# KiCad board PC110.kicad_pcb (continued)
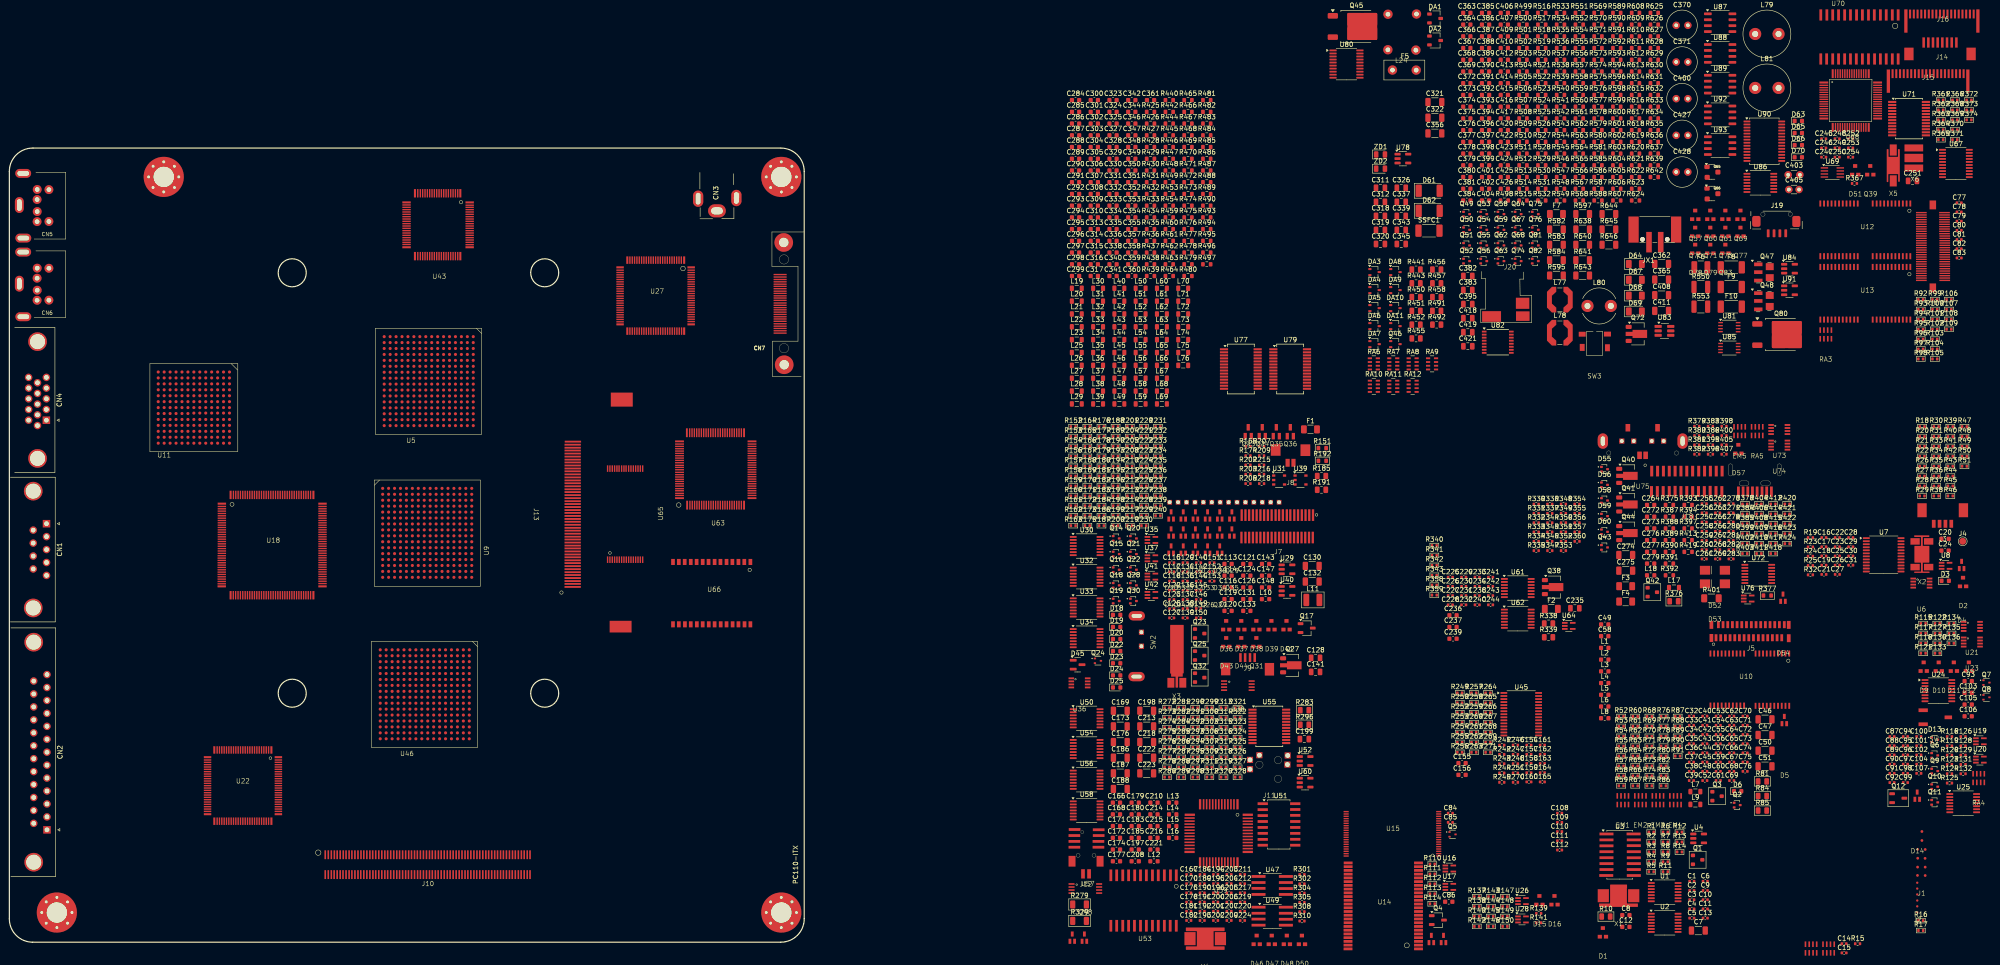
[diagram p0: board, top side]
## Library data of the parts
C12-C27 C77 C78 C81-C83 C93-C107 C110 C112 C115 C118 C125 C129 C136-C140 C144-C154 C161-C166 C169 C170 C173 C175-C178 C180-C182 C185 C188-C195 C197-C202 C204-C209 C211 C212 C217 C222-C224 C226 C228-C245 C247 C250 C252 = -: ki_fp_filters: C_*
C196 R1-R326 R328-R374 R376-R386 R395-R412 R414-R418 R420-R424 = -: ki_fp_filters: R_*
CN1 CN2 = -: ki_fp_filters: DSUB*Socket*
CN3 J20 = -: ki_fp_filters: BarrelJack*
CN4 = -: ki_fp_filters: DSUB*Pins*
CN5 CN6 = -: ki_fp_filters: MINI?DIN*
CN7 J3 J5 J8 J9 J12 J14-J16 J19 U44 = -: ki_fp_filters: Connector*:*_1x??_*
D3 D6 D18-D20 D22-D25 D52 D53 D61-D63 D65 D70 = -: ki_fp_filters: TO-???* *_Diode_* *SingleDiode* D_*
D36 D37 D55 D56 D58-D60 = -: ki_fp_filters: SOT?323*
F1-F4 F6-F10 = -: ki_fp_filters: *Fuse*
J7 = -: ki_fp_filters: Connector*:*_2x??_*
J11 = -: ki_fp_filters: Jack*
JX1 = -: Description: Generic connector, single row, 01x02, script generated; ki_fp_filters: Connector*:*_1x??_*
L11 L17 L18 = -: ki_fp_filters: Choke_* *Coil* Inductor_* L_*
L24 = -: ki_fp_filters: L_* L_CommonMode*
Q1 Q42 = -: ki_fp_filters: SOT?23* SC?59*
Q2 Q5-Q11 Q18 Q19 Q21-Q25 Q28 Q66 U35 = -: ki_fp_filters: SOT?23*
Q27 = -: ki_fp_filters: TO?92*
Q32 Q60 Q69 Q78 Q83 = -: ki_fp_filters: SOT* SC*
Q72 = -: ki_fp_filters: SOT?89*
R327 = -: Description: External clock input for Audio Drive; ki_fp_filters: R_*
RA1-RA12 = -: ki_fp_filters: DIP* SOIC* R*Array*Concave* R*Array*Convex* MSOP*
U1 = -: Datasheet: https://github.com/ahmadexp/PC110-Mainboard-Schematic/blob/main/datasheets/bottom/f-V02.pdf; Description: Quadruple 2-Input Positive-NOR Gates; ki_fp_filters: SO14* DIP*W7.62mm*
U2 U72 = -: Datasheet: https://github.com/ahmadexp/PC110-Mainboard-Schematic/blob/main/datasheets/bottom/a%26e-V125.pdf; Description: ABT QUADRUPLE BUS BUFFER WITH 3STATE OUTPUTS; ki_fp_filters: DIP*W7.62mm*
U5 = -: Datasheet: http://github.com/ahmadexp/PC110-Mainboard-Schematic/blob/main/datasheets/bottom/4-486SX-33.pdf; Description: Intel 486 SX
U6 = -: ki_fp_filters: VSSOP*
U8 U28 U37 U41 U42 U76 U78 = -: ki_fp_filters: SOT?23* SOT?553*
U16 U17 = -: ki_fp_filters: SOT?23* Texas?R-PDSO-G5?DCK* Texas?R-PDSO-N5?DRL* Texas?X2SON*0.8x0.8mm*P0.48mm*
U19 U20 U26 U64 = -: ki_fp_filters: SOT* SG-*
U21 U23 U36 U73 U74 U81 = -: ki_fp_filters: SSOP* VSSOP*
U24 = -: ki_fp_filters: DIP?16*
U25 U30 U32 U33 U50 U54 U62 = -: ki_fp_filters: DIP*W7.62mm*
U34 = -: Datasheet: https://github.com/ahmadexp/PC110-Mainboard-Schematic/blob/main/datasheets/bottom/b-v74.pdf; Description: Dual D-Type Positive-Edge-Triggered Flip-Flops With Clear and Preset; ki_fp_filters: DIP*W7.62mm*
U38 U48 = -: ki_fp_filters: SOIC*3.9x4.9mm*P1.27mm* DIP*W7.62mm* TO*99* OnSemi*Micro8* TSSOP*3x3mm*P0.65mm* TSSOP*4.4x3mm*P0.65mm* MSOP*3x3mm*P0.65mm* SSOP*3.9x4.9mm*P0.635mm* LFCSP*2x2mm*P0.5mm* *SIP* SOIC*5.3x6.2mm*P1.27mm*
U45 = -: Datasheet: https://github.com/ahmadexp/PC110-Mainboard-Schematic/blob/main/datasheets/bottom/12-TPS2201.PDF; Description: Dual-Slot PC Card Power-Interface Switches
U47 U85 = -: ki_fp_filters: SOIC*3.9x4.9mm*P1.27mm* DIP*W7.62mm* MSOP*3x3mm*P0.65mm* SSOP*2.95x2.8mm*P0.65mm* TSSOP*3x3mm*P0.65mm* VSSOP*P0.5mm* TO?99*
U49 = -: Description: Digital Rheostat
U55 U71 = -: Datasheet: https://github.com/ahmadexp/PC110-Mainboard-Schematic/blob/main/datasheets/bottom/8-HD151015.pdf; Description: 9 bit Level Shifter/Transceiver With 3 State Outputs
U56 = -: Datasheet: https://github.com/ahmadexp/PC110-Mainboard-Schematic/blob/main/datasheets/bottom/g-V126.pdf; Description: Quadruple Bus Buffer Gates With 3-State Outputs; ki_fp_filters: DIP*W7.62mm*
U57 = -: Datasheet: https://github.com/ahmadexp/Open-Source-PC110/blob/main/datasheets/top/6-LM4861.pdf; Description: Audio Amp; ki_fp_filters: MSOP*3x3mm*P0.65mm* SOIC*3.9x4.9mm*P1.27mm*
U58 = -: Datasheet: https://github.com/ahmadexp/PC110-Mainboard-Schematic/blob/main/datasheets/bottom/d-V32.pdf; Description: Quadruple 2-Input Positive-Or Gates; ki_fp_filters: DIP?14*
U61 = -: ki_fp_filters: DIP?14*
U67 = -: Datasheet: https://github.com/ahmadexp/PC110-Mainboard-Schematic/blob/main/datasheets/bottom/c-V244.pdf; Description: ABT OCTAL BUFFER/DRIVER; ki_fp_filters: DIP?20*
U68 = -: Description: Keyboard controller
U69 = -: Datasheet: https://github.com/ahmadexp/PC110-Mainboard-Schematic/blob/main/datasheets/bottom/h-7W32.pdf; Description: Dual 2-Input Positive-OR Gate; ki_fp_filters: SSOP* VSSOP*
U70 = -: Description: Trackpad Controller
U80 = -: ki_fp_filters: TSSOP*4.4x6.5mm*P0.65mm* SSOP*4.4x6.5mm*P0.65mm*
U86 = -: ki_fp_filters: SOIC*3.9x8.7mm*P1.27mm* DIP*W7.62mm* TSSOP*4.4x5mm*P0.65mm* SSOP*5.3x6.2mm*P0.65mm*
U87-U89 U92 U93 = -: ki_fp_filters: SOIC*3.9x4.9mm*P1.27mm*
U91 = -: ki_fp_filters: *SOT-23*5*
X1 X2 X4-X6 = -: ki_fp_filters: Crystal*
ZD1 ZD2 = -: ki_fp_filters: D*DO?35*

## Footprints (pads in the part's own frame, mm; a bottom-side part is the same pattern mirrored in y, then rotated)
3D
  rect 0.9x0.8 smd: 1(0.625,-0.725) 2(-0.05,1.125) 3(-0.7,-0.725)
Audio-Jack
  rect 1.3x1.3 hole 1: 1(3.95,2.95) 2(3.9,1) 3(-2.1,3) 4(-4.1,2) 5(-4.1,0)
Backllight_Connector
  rrect 0.6x1.7 smd: 1(-1.875,-1.95) 2(-0.625,-1.95) 3(0.625,-1.95) 4(1.875,-1.95)
  rrect 1.8x2.325 smd: MP(-4.4,0.613)
  rrect 1.75x2.375 smd: MP(4.15,0.588)
BarrelJack_Horizontal_PC110
  oval 2.8x3.8 hole 1.5x2.5: 1(3.85,0.125)
  oval 3.5x2.2 hole 2.5x1: 2(1.1,4.275) 3(1.25,-3.9)
BGA-169
  round 0.67 smd: A1(7.62,7.62) A2(7.62,6.35) A3(7.62,5.08) A4(7.62,3.81) A5(7.62,2.54) A6(7.62,1.27) A7(7.62,0) A8(7.62,-1.175) A9(7.62,-2.54) A10(7.62,-3.81) A11(7.62,-5.08) A12(7.62,-6.35) A13(7.62,-7.62) B1(6.35,7.62) B2(6.35,6.35) B3(6.35,5.08) B4(6.35,3.81) B5(6.35,2.54) B6(6.35,1.27) B7(6.35,0) B8(6.35,-1.175) B9(6.35,-2.54) B10(6.35,-3.81) B11(6.35,-5.08) B12(6.35,-6.35) B13(6.35,-7.62) C1(5.08,7.62) C2(5.08,6.35) C3(5.08,5.08) C4(5.08,3.81) C5(5.08,2.54) C6(5.08,1.27) C7(5.08,0) C8(5.08,-1.175) C9(5.08,-2.54) C10(5.08,-3.81) C11(5.08,-5.08) C12(5.08,-6.35) C13(5.08,-7.62) D1(3.81,7.62) D2(3.81,6.35) D3(3.81,5.08) D4(3.81,3.81) D5(3.81,2.54) D6(3.81,1.27) D7(3.81,0) D8(3.81,-1.175) D9(3.81,-2.54) D10(3.81,-3.81) D11(3.81,-5.08) D12(3.81,-6.35) D13(3.81,-7.62) E1(2.54,7.62) E2(2.54,6.35) E3(2.54,5.08) E4(2.54,3.81) E5(2.54,2.54) E6(2.54,1.27) E7(2.54,0) E8(2.54,-1.175) E9(2.54,-2.54) E10(2.54,-3.81) E11(2.54,-5.08) E12(2.54,-6.35) E13(2.54,-7.62) F1(1.27,7.62) F2(1.27,6.35) F3(1.27,5.08) F4(1.27,3.81) F5(1.27,2.54) F6(1.27,1.27) F7(1.27,0) F8(1.27,-1.175) F9(1.27,-2.54) F10(1.27,-3.81) F11(1.27,-5.08) F12(1.27,-6.35) F13(1.27,-7.62) G1(0,7.62) G2(0,6.35) G3(0,5.08) G4(0,3.81) G5(0,2.54) G6(0,1.27) G7(0,0) G8(0,-1.175) G9(0,-2.54) G10(0,-3.81) G11(0,-5.08) G12(0,-6.35) G13(0,-7.62) H1(-1.27,7.62) H2(-1.27,6.35) H3(-1.27,5.08) H4(-1.27,3.81) H5(-1.27,2.54) H6(-1.27,1.27) H7(-1.27,0) H8(-1.27,-1.27) H9(-1.27,-2.54) H10(-1.27,-3.81) H11(-1.27,-5.08) H12(-1.27,-6.35) H13(-1.27,-7.62) J1(-2.54,7.62) J2(-2.54,6.35) J3(-2.54,5.08) J4(-2.54,3.81) J5(-2.54,2.54) J6(-2.54,1.27) J7(-2.54,0) J8(-2.54,-1.27) J9(-2.54,-2.54) J10(-2.54,-3.81) J11(-2.54,-5.08) J12(-2.54,-6.35) J13(-2.54,-7.62) K1(-3.81,7.62) K2(-3.81,6.35) K3(-3.81,5.08) K4(-3.81,3.81) K5(-3.81,2.54) K6(-3.81,1.27) K7(-3.81,0) K8(-3.81,-1.27) K9(-3.81,-2.54) K10(-3.81,-3.81) K11(-3.81,-5.08) K12(-3.81,-6.35) K13(-3.81,-7.62) L1(-5.08,7.62) L2(-5.08,6.35) L3(-5.08,5.08) L4(-5.08,3.81) L5(-5.08,2.54) L6(-5.08,1.27) L7(-5.08,0) L8(-5.08,-1.27) L9(-5.08,-2.54) L10(-5.08,-3.81) L11(-5.08,-5.08) L12(-5.08,-6.35) L13(-5.08,-7.62) M1(-6.35,7.62) M2(-6.35,6.35) M3(-6.35,5.08) M4(-6.35,3.81) M5(-6.35,2.54) M6(-6.35,1.27) M7(-6.35,0) M8(-6.35,-1.27) M9(-6.35,-2.54) M10(-6.35,-3.81) M11(-6.35,-5.08) M12(-6.35,-6.35) M13(-6.35,-7.62) N1(-7.62,7.62) N2(-7.62,6.35) N3(-7.62,5.08) N4(-7.62,3.81) N5(-7.62,2.54) N6(-7.62,1.27) N7(-7.62,0) N8(-7.62,-1.27) N9(-7.62,-2.54) N10(-7.62,-3.81) N11(-7.62,-5.08) N12(-7.62,-6.35) N13(-7.62,-7.62)
BGA-256
  round 0.67 smd: A1(9.525,9.525) A2(9.525,8.255) A3(9.525,6.985) A4(9.525,5.715) A5(9.525,4.445) A6(9.525,3.175) A7(9.525,1.905) A8(9.525,0.635) A9(9.525,-0.635) A10(9.525,-1.905) A11(9.525,-3.175) A12(9.525,-4.445) A13(9.525,-5.715) A14(9.525,-6.985) A15(9.525,-8.255) A16(9.525,-9.525) B1(8.255,9.525) B2(8.255,8.255) B3(8.255,6.985) B4(8.255,5.715) B5(8.255,4.445) B6(8.255,3.175) B7(8.255,1.905) B8(8.255,0.635) B9(8.255,-0.635) B10(8.255,-1.905) B11(8.255,-3.175) B12(8.255,-4.445) B13(8.255,-5.715) B14(8.255,-6.985) B15(8.255,-8.255) B16(8.255,-9.525) C1(6.985,9.525) C2(6.985,8.255) C3(6.985,6.985) C4(6.985,5.715) C5(6.985,4.445) C6(6.985,3.175) C7(6.985,1.905) C8(6.985,0.635) C9(6.985,-0.635) C10(6.985,-1.905) C11(6.985,-3.175) C12(6.985,-4.445) C13(6.985,-5.715) C14(6.985,-6.985) C15(6.985,-8.255) C16(6.985,-9.525) D1(5.715,9.525) D2(5.715,8.255) D3(5.715,6.985) D4(5.715,5.715) D5(5.715,4.445) D6(5.715,3.175) D7(5.715,1.905) D8(5.715,0.635) D9(5.715,-0.635) D10(5.715,-1.905) D11(5.715,-3.175) D12(5.715,-4.445) D13(5.715,-5.715) D14(5.715,-6.985) D15(5.715,-8.255) D16(5.715,-9.525) E1(4.445,9.525) E2(4.445,8.255) E3(4.445,6.985) E4(4.445,5.715) E5(4.445,4.445) E6(4.445,3.175) E7(4.445,1.905) E8(4.445,0.635) E9(4.445,-0.635) E10(4.445,-1.905) E11(4.445,-3.175) E12(4.445,-4.445) E13(4.445,-5.715) E14(4.445,-6.985) E15(4.445,-8.255) E16(4.445,-9.525) F1(3.175,9.525) F2(3.175,8.255) F3(3.175,6.985) F4(3.175,5.715) F5(3.175,4.445) F6(3.175,3.175) F7(3.175,1.905) F8(3.175,0.635) F9(3.175,-0.635) F10(3.175,-1.905) F11(3.175,-3.175) F12(3.175,-4.445) F13(3.175,-5.715) F14(3.175,-6.985) F15(3.175,-8.255) F16(3.175,-9.525) G1(1.905,9.525) G2(1.905,8.255) G3(1.905,6.985) G4(1.905,5.715) G5(1.905,4.445) G6(1.905,3.175) G7(1.905,1.905) G8(1.905,0.635) G9(1.905,-0.635) G10(1.905,-1.905) G11(1.905,-3.175) G12(1.905,-4.445) G13(1.905,-5.715) G14(1.905,-6.985) G15(1.905,-8.255) G16(1.905,-9.525) H1(0.635,9.525) H2(0.635,8.255) H3(0.635,6.985) H4(0.635,5.715) H5(0.635,4.445) H6(0.635,3.175) H7(0.635,1.905) H8(0.635,0.635) H9(0.635,-0.635) H10(0.635,-1.905) H11(0.635,-3.175) H12(0.635,-4.445) H13(0.635,-5.715) H14(0.635,-6.985) H15(0.635,-8.255) H16(0.635,-9.525) J1(-0.635,9.525) J2(-0.635,8.255) J3(-0.635,6.985) J4(-0.635,5.715) J5(-0.635,4.445) J6(-0.635,3.175) J7(-0.635,1.905) J8(-0.635,0.635) J9(-0.635,-0.635) J10(-0.635,-1.905) J11(-0.635,-3.175) J12(-0.635,-4.445) J13(-0.635,-5.715) J14(-0.635,-6.985) J15(-0.635,-8.255) J16(-0.635,-9.525) K1(-1.905,9.525) K2(-1.905,8.255) K3(-1.905,6.985) K4(-1.905,5.715) K5(-1.905,4.445) K6(-1.905,3.175) K7(-1.905,1.905) K8(-1.905,0.635) K9(-1.905,-0.635) K10(-1.905,-1.905) K11(-1.905,-3.175) K12(-1.905,-4.445) K13(-1.905,-5.715) K14(-1.905,-6.985) K15(-1.905,-8.255) K16(-1.905,-9.525) L1(-3.175,9.525) L2(-3.175,8.255) L3(-3.175,6.985) L4(-3.175,5.715) L5(-3.175,4.445) L6(-3.175,3.175) L7(-3.175,1.905) L8(-3.175,0.635) L9(-3.175,-0.635) L10(-3.175,-1.905) L11(-3.175,-3.175) L12(-3.175,-4.445) L13(-3.175,-5.715) L14(-3.175,-6.985) L15(-3.175,-8.255) L16(-3.175,-9.525) M1(-4.445,9.525) M2(-4.445,8.255) M3(-4.445,6.985) M4(-4.445,5.715) M5(-4.445,4.445) M6(-4.445,3.175) M7(-4.445,1.905) M8(-4.445,0.635) M9(-4.445,-0.635) M10(-4.445,-1.905) M11(-4.445,-3.175) M12(-4.445,-4.445) M13(-4.445,-5.715) M14(-4.445,-6.985) M15(-4.445,-8.255) M16(-4.445,-9.525) N1(-5.715,9.525) N2(-5.715,8.255) N3(-5.715,6.985) N4(-5.715,5.715) N5(-5.715,4.445) N6(-5.715,3.175) N7(-5.715,1.905) N8(-5.715,0.635) N9(-5.715,-0.635) N10(-5.715,-1.905) N11(-5.715,-3.175) N12(-5.715,-4.445) N13(-5.715,-5.715) N14(-5.715,-6.985) N15(-5.715,-8.255) N16(-5.715,-9.525) P1(-6.985,9.525) P2(-6.985,8.255) P3(-6.985,6.985) P4(-6.985,5.715) P5(-6.985,4.445) P6(-6.985,3.175) P7(-6.985,1.905) P8(-6.985,0.635) P9(-6.985,-0.635) P10(-6.985,-1.905) P11(-6.985,-3.175) P12(-6.985,-4.445) P13(-6.985,-5.715) P14(-6.985,-6.985) P15(-6.985,-8.255) P16(-6.985,-9.525) R1(-8.255,9.525) R2(-8.255,8.255) R3(-8.255,6.985) R4(-8.255,5.715) R5(-8.255,4.445) R6(-8.255,3.175) R7(-8.255,1.905) R8(-8.255,0.635) R9(-8.255,-0.635) R10(-8.255,-1.905) R11(-8.255,-3.175) R12(-8.255,-4.445) R13(-8.255,-5.715) R14(-8.255,-6.985) R15(-8.255,-8.255) R16(-8.255,-9.525) T1(-9.525,9.525) T2(-9.525,8.255) T3(-9.525,6.985) T4(-9.525,5.715) T5(-9.525,4.445) T6(-9.525,3.175) T7(-9.525,1.905) T8(-9.525,0.635) T9(-9.525,-0.635) T10(-9.525,-1.905) T11(-9.525,-3.175) T12(-9.525,-4.445) T13(-9.525,-5.715) T14(-9.525,-6.985) T15(-9.525,-8.255) T16(-9.525,-9.525)
Bowman
  rect 1.8x0.45 smd: 1(-10.973,8.35) 36(-11,-9.35) 73(10.55,-9.35) 108(10.55,8.35)
  rect 1.8x0.3 smd: 2(-10.973,7.75) 3(-10.973,7.25) 4(-10.973,6.757) 5(-10.973,6.25) 6(-10.973,5.75) 7(-10.973,5.25) 8(-10.973,4.75) 9(-10.973,4.25) 10(-10.973,3.75) 11(-10.973,3.252) 12(-10.973,2.75) 13(-10.973,2.25) 14(-10.973,1.75) 15(-10.973,1.25) 16(-10.973,0.75) 17(-10.973,0.25) 18(-10.973,-0.253) 19(-10.973,-0.761) 20(-10.973,-1.269) 21(-10.973,-1.777) 22(-10.973,-2.285) 23(-11,-2.793) 24(-11,-3.3) 25(-11,-3.8) 26(-11,-4.3) 27(-11,-4.8) 28(-11,-5.3) 29(-11,-5.8) 30(-11,-6.3) 31(-11,-6.8) 32(-11,-7.3) 33(-11,-7.8) 34(-11,-8.3) 35(-11,-8.8) 74(10.55,-8.75) 75(10.55,-8.25) 76(10.55,-7.75) 77(10.55,-7.25) 78(10.55,-6.75) 79(10.55,-6.25) 80(10.55,-5.75) 81(10.55,-5.25) 82(10.55,-4.75) 83(10.55,-4.25) 84(10.55,-3.75) 85(10.55,-3.25) 86(10.55,-2.75) 87(10.55,-2.25) 88(10.55,-1.75) 89(10.55,-1.25) 90(10.55,-0.75) 91(10.55,-0.25) 92(10.55,0.25) 93(10.55,0.75) 94(10.55,1.25) 95(10.55,1.75) 96(10.55,2.25) 97(10.55,2.75) 98(10.55,3.25) 99(10.55,3.75) 100(10.55,4.25) 101(10.55,4.75) 102(10.55,5.25) 103(10.55,5.75) 104(10.55,6.25) 105(10.55,6.75) 106(10.55,7.25) 107(10.55,7.75)
  rect 0.45x1.8 smd: 37(-9.1,-11.25) 72(8.6,-11.25) 109(8.6,10.225) 144(-9.1,10.225)
  rect 0.3x1.8 smd: 38(-8.534,-11.25) 39(-8.026,-11.25) 40(-7.518,-11.25) 41(-7.01,-11.25) 42(-6.502,-11.25) 43(-5.994,-11.25) 44(-5.5,-11.25) 45(-5,-11.25) 46(-4.5,-11.25) 47(-4,-11.25) 48(-3.5,-11.25) 49(-3,-11.25) 50(-2.5,-11.25) 51(-2,-11.25) 52(-1.5,-11.25) 53(-1,-11.25) 54(-0.5,-11.25) 55(0,-11.25) 56(0.5,-11.25) 57(1,-11.25) 58(1.5,-11.25) 59(2,-11.25) 60(2.5,-11.25) 61(3,-11.25) 62(3.5,-11.25) 63(4,-11.25) 64(4.5,-11.25) 65(5,-11.25) 66(5.5,-11.25) 67(6,-11.25) 68(6.5,-11.25) 69(7,-11.25) 70(7.5,-11.25) 71(8,-11.25) 110(8,10.225) 111(7.5,10.225) 112(7,10.225) 113(6.5,10.225) 114(6,10.225) 115(5.5,10.225) 116(5,10.225) 117(4.5,10.225) 118(4,10.225) 119(3.5,10.225) 120(3,10.225) 121(2.5,10.225) 122(2,10.225) 123(1.5,10.225) 124(1,10.225) 125(0.5,10.225) 126(0,10.225) 127(-0.5,10.225) 128(-1,10.225) 129(-1.5,10.225) 130(-2,10.225) 131(-2.5,10.225) 132(-3,10.225) 133(-3.5,10.225) 134(-4,10.225) 135(-4.5,10.225) 136(-5,10.225) 137(-5.5,10.225) 138(-6,10.225) 139(-6.5,10.225) 140(-7,10.225) 141(-7.5,10.225) 142(-8,10.225) 143(-8.5,10.225)
BridgeBatt
  rect 0.9x1.7 smd: 1(0.65,-1.2) 2(-0.6,-1.2)
  rect 2.1x2.5 smd: 3(3.2,1.5) 4(-3.15,1.55)
C_0402_1005Metric
  rrect 0.56x0.62 smd: 1(-0.48,0) 2(0.48,0)
C_0603_1608Metric
  rrect 0.9x0.95 smd: 1(-0.775,0) 2(0.775,0)
C_0805_2012Metric
  rrect 1x1.45 smd: 1(-0.95,0) 2(0.95,0)
C_1206_3216Metric
  rrect 1.15x1.8 smd: 1(-1.475,0) 2(1.475,0)
C_Disc_D3.0mm_W1.6mm_P2.50mm
  round 1.6 hole 0.8: 1(0,0) 2(2.5,0)
C_Radial_D6.3mm_H11.0mm_P2.50mm
  round 1.6 hole 0.8: 1(0,0) 2(2.5,0)
CF-card
  rect 0.4x3.5 smd: 1(16.65,-5.2) 2(16,-5.2) 3(15.4,-5.2) 4(14.75,-5.2) 5(14.1,-5.2) 6(13.5,-5.2) 7(12.85,-5.2) 8(12.2,-5.2) 9(11.55,-5.2) 10(10.95,-5.2) 11(10.3,-5.2) 12(9.7,-5.2) 13(9.05,-5.2) 14(8.4,-5.2) 15(7.8,-5.2) 16(7.15,-5.2) 17(6.5,-5.2) 18(5.9,-5.2) 19(5.25,-5.2) 20(4.6,-5.2) 21(4,-5.2) 22(3.35,-5.2) 23(2.7,-5.2) 24(2.1,-5.2) 25(1.45,-5.2) 26(0.8,-5.2) 27(0.2,-5.2) 28(-0.45,-5.2) 29(-1.1,-5.2) 30(-1.7,-5.2) 31(-2.35,-5.2) 32(-3,-5.2) 33(-3.65,-5.2) 34(-4.25,-5.2) 35(-4.9,-5.2) 36(-5.55,-5.2) 37(-6.15,-5.2) 38(-6.8,-5.2) 39(-7.45,-5.2) 40(-8.1,-5.2) 41(-8.7,-5.2) 42(-9.35,-5.2) 43(-10,-5.2) 44(-10.6,-5.2) 45(-11.25,-5.2) 46(-11.9,-5.2) 47(-12.55,-5.2) 48(-13.15,-5.2) 49(-13.8,-5.2) 50(-14.45,-5.15)
  rect 3x4.7 smd: 51(-23.45,5.3)
  rect 2.5x4.7 smd: 52(25.15,5.05)
connector-4
  rect 0.8x1.7 smd: 1(-1.9,-1.7) 2(-0.65,-1.7) 3(0.6,-1.7) 4(1.85,-1.7)
  rect 2x3 smd: 5(-4.4,1.2) 6(4.45,1.2)
D_0603_1608Metric
  rrect 0.875x0.95 smd: 1(-0.787,0) 2(0.787,0)
D_0805_2012Metric
  rrect 0.975x1.4 smd: 1(-0.938,0) 2(0.938,0)
D_1206_3216Metric
  rrect 1.25x1.75 smd: 1(-1.4,0) 2(1.4,0)
D_2010_5025Metric
  rrect 1.35x2.65 smd: 1(-2.25,0) 2(2.25,0)
Debug-6
  round 0.5 smd: 1(-0.05,3.15) 2(-0.05,1.9) 3(-0.05,0.65) 4(-0.05,-0.65) 5(-0.05,-1.9) 6(-0.05,-3.15)
Debug-10
  round 0.6 smd: 1(0.075,4.825) 2(0.075,2.9) 3(0.775,0.975) 4(-0.85,1) 5(0.75,-0.925) 6(-0.825,-0.9) 7(0.775,-2.8) 8(-0.85,-2.8) 9(0.775,-4.6) 10(-0.875,-4.575)
Diode
  rect 2.2x1.9 smd: 1(-2.1,-0.05) 2(2.15,-0.05)
DSUB-9_Pins_Horizontal_P2.77x2.84mm_EdgePinOffset4.94mm_Housed_MountingHolesOffset4.94mm
  round 4 hole 3.2: 0(-6.96,-2.84) 0(18.04,-2.84)
  rect 1.6x1.6 hole 1: 1(0,0)
  round 1.6 hole 1: 2(2.77,0) 3(5.54,0) 4(8.31,0) 5(11.08,0) 6(1.385,-2.84) 7(4.155,-2.84) 8(6.925,-2.84) 9(9.695,-2.84)
DSUB-15-HD_Socket_Horizontal_P2.29x1.90mm_EdgePinOffset3.03mm_Housed_MountingHolesOffset4.94mm
  round 4 hole 3.2: 0(-16.815,-1.89) 0(8.185,-1.89)
  rect 1.6x1.6 hole 1: 1(0,0)
  round 1.6 hole 1: 2(-2.29,0) 3(-4.58,0) 4(-6.87,0) 5(-9.16,0) 6(1.145,-1.9) 7(-1.145,-1.9) 8(-3.435,-1.9) 9(-5.725,-1.9) 10(-8.015,-1.9) 11(0,-3.8) 12(-2.29,-3.8) 13(-4.58,-3.8) 14(-6.87,-3.8) 15(-9.16,-3.8)
DSUB-25_Socket_Horizontal_P2.77x2.84mm_EdgePinOffset4.94mm_Housed_MountingHolesOffset4.94mm
  round 4 hole 3.2: 0(-40.17,-2.84) 0(6.93,-2.84)
  rect 1.6x1.6 hole 1: 1(0,0)
  round 1.6 hole 1: 2(-2.77,0) 3(-5.54,0) 4(-8.31,0) 5(-11.08,0) 6(-13.85,0) 7(-16.62,0) 8(-19.39,0) 9(-22.16,0) 10(-24.93,0) 11(-27.7,0) 12(-30.47,0) 13(-33.24,0) 14(-1.385,-2.84) 15(-4.155,-2.84) 16(-6.925,-2.84) 17(-9.695,-2.84) 18(-12.465,-2.84) 19(-15.235,-2.84) 20(-18.005,-2.84) 21(-20.775,-2.84) 22(-23.545,-2.84) 23(-26.315,-2.84) 24(-29.085,-2.84) 25(-31.855,-2.84)
EC
  round 1.6 hole 0.8: 1(0.15,0) 2(2.325,0)
EMI_Transformer
  round 2 hole 1: 1(-2.9,3.65) 2(-2.925,-3.95) 3(3.2,3.7) 4(3.075,-4.025)
FDC
  rect 0.45x1.6 smd: 1(5.8,7.15) 25(-6.35,7.15) 51(-6.35,-8.05) 75(5.8,-8.05)
  rect 0.3x1.6 smd: 2(5.2,7.15) 3(4.7,7.15) 4(4.2,7.15) 5(3.7,7.15) 6(3.2,7.15) 7(2.7,7.15) 8(2.2,7.15) 9(1.7,7.15) 10(1.2,7.15) 11(0.7,7.15) 12(0.2,7.15) 13(-0.3,7.15) 14(-0.8,7.15) 15(-1.3,7.15) 16(-1.8,7.15) 17(-2.3,7.15) 18(-2.8,7.15) 19(-3.3,7.15) 20(-3.8,7.15) 21(-4.3,7.15) 22(-4.8,7.15) 23(-5.3,7.15) 24(-5.8,7.15) 52(-5.8,-8.05) 53(-5.3,-8.05) 54(-4.8,-8.05) 55(-4.3,-8.05) 56(-3.8,-8.05) 57(-3.3,-8.05) 58(-2.8,-8.05) 59(-2.3,-8.05) 60(-1.8,-8.05) 61(-1.3,-8.05) 62(-0.75,-8.05) 63(-0.25,-8.05) 64(0.25,-8.05) 65(0.75,-8.05) 66(1.25,-8.05) 67(1.75,-8.05) 68(2.25,-8.05) 69(2.75,-8.05) 70(3.25,-8.05) 71(3.75,-8.05) 72(4.25,-8.05) 73(4.75,-8.05) 74(5.25,-8.05)
  rect 1.6x0.45 smd: 26(-7.9,5.6) 50(-7.9,-6.6) 76(7.3,-6.6) 100(7.3,5.6)
  rect 1.6x0.3 smd: 27(-7.9,5) 28(-7.9,4.5) 29(-7.9,4) 30(-7.9,3.5) 31(-7.9,3) 32(-7.9,2.5) 33(-7.9,2) 34(-7.9,1.5) 35(-7.9,1) 36(-7.9,0.5) 37(-7.9,0) 38(-7.9,-0.55) 39(-7.9,-1.05) 40(-7.9,-1.55) 41(-7.9,-2.05) 42(-7.9,-2.55) 43(-7.9,-3.05) 44(-7.9,-3.55) 45(-7.9,-4.05) 46(-7.9,-4.55) 47(-7.9,-5.05) 48(-7.9,-5.55) 49(-7.9,-6.05) 77(7.3,-6) 78(7.3,-5.5) 79(7.3,-5) 80(7.3,-4.5) 81(7.3,-4) 82(7.3,-3.5) 83(7.3,-3) 84(7.3,-2.5) 85(7.3,-2) 86(7.3,-1.5) 87(7.3,-1) 88(7.3,-0.5) 89(7.3,0) 90(7.3,0.5) 91(7.3,1) 92(7.3,1.5) 93(7.3,2) 94(7.3,2.5) 95(7.3,3) 96(7.3,3.5) 97(7.3,4) 98(7.3,4.5) 99(7.3,5)
FDC_Connector
  round 4 hole 2: (-0.95,13.25) (-0.85,-12.925)
  rrect 2.8x0.3 smd: 1(-1.725,6.375) 2(-1.725,5.85) 3(-1.725,5.325) 4(-1.725,4.825) 5(-1.725,4.325) 6(-1.725,3.85) 7(-1.725,3.35) 8(-1.725,2.825) 9(-1.725,2.35) 10(-1.725,1.825) 11(-1.725,1.35) 12(-1.725,0.85) 13(-1.725,0.3) 14(-1.725,-0.2) 15(-1.725,-0.7) 16(-1.725,-1.175) 17(-1.725,-1.65) 18(-1.725,-2.15) 19(-1.725,-2.65) 20(-1.725,-3.125) 21(-1.725,-3.625) 22(-1.725,-4.15) 23(-1.725,-4.675) 24(-1.725,-5.15) 25(-1.725,-5.65) 26(-1.725,-6.15)
Flash-32
  rect 1.4x0.3 smd: 1(-10,4.15) 2(-10,3.65) 3(-10,3.15) 4(-10,2.65) 5(-10,2.15) 6(-10,1.65) 7(-10,1.15) 8(-10,0.65) 9(-10,0.15) 10(-10,-0.35) 11(-10,-0.85) 12(-10,-1.35) 13(-10,-1.85) 14(-10,-2.35) 15(-10,-2.85) 16(-10,-3.35) 17(9.5,-3.35) 18(9.5,-2.85) 19(9.5,-2.35) 20(9.5,-1.85) 21(9.5,-1.35) 22(9.5,-0.85) 23(9.5,-0.35) 24(9.5,0.2) 25(9.5,0.65) 26(9.5,1.15) 27(9.5,1.7) 28(9.5,2.15) 29(9.5,2.65) 30(9.5,3.15) 31(9.5,3.65) 32(9.5,4.15)
Flash-40
  rect 1.1x0.3 smd: 1(9.8,-5.4) 2(9.8,-4.9) 3(9.8,-4.4) 4(9.8,-3.9) 5(9.8,-3.4) 6(9.8,-2.9) 7(9.8,-2.4) 8(9.8,-1.9) 9(9.8,-1.4) 10(9.8,-0.9) 11(9.8,-0.4) 12(9.8,0.1) 13(9.8,0.6) 14(9.8,1.1) 15(9.8,1.6) 16(9.8,2.1) 17(9.8,2.6) 18(9.8,3.1) 19(9.8,3.6) 20(9.8,4.1) 21(-10,4.1) 22(-10,3.6) 23(-10,3.1) 24(-10,2.6) 25(-10,2.1) 26(-10,1.6) 27(-10,1.1) 28(-10,0.6) 29(-10,0.1) 30(-10,-0.4) 31(-10,-0.9) 32(-10,-1.4) 33(-10,-1.9) 34(-10,-2.4) 35(-10,-2.9) 36(-10,-3.4) 37(-10,-3.9) 38(-10,-4.4) 39(-10,-4.9) 40(-10,-5.4)
Flat-4
  rect 0.55x1.9 smd: 1(-1.55,2.75) 2(-0.55,2.75) 3(0.5,2.75) 4(1.5,2.75)
  rect 2x2.7 smd: 5(4.65,0.25) 6(-4.7,0.3)
Flat-8
  rect 0.55x2.2 smd: 1(-3.6,1.7) 2(-2.6,1.7) 3(-1.6,1.7) 4(-0.6,1.7) 5(0.4,1.7) 6(1.4,1.7) 7(2.4,1.7) 8(3.4,1.7)
  rect 2x2.7 smd: 9(6.55,-0.75) 10(-6.75,-0.75)
Flat-18
  rect 0.45x1.9 smd: 1(-7,1.6) 2(-6.2,1.6) 3(-5.4,1.6) 4(-4.6,1.6) 5(-3.8,1.6) 6(-3,1.6) 7(-2.2,1.6) 8(-1.4,1.6) 9(-0.6,1.6) 10(0.2,1.6) 11(1,1.6) 12(1.8,1.6) 13(2.6,1.6) 14(3.4,1.6) 15(4.2,1.6) 16(5,1.6) 17(5.8,1.6) 18(6.6,1.6)
  rect 0.7x5 smd: 19(7.5,0.1) 20(-7.9,0.1)
Flat-20
  rect 0.45x1.9 smd: 1(-7.6,1.3) 2(-6.8,1.3) 3(-6,1.3) 4(-5.2,1.3) 5(-4.4,1.3) 6(-3.6,1.3) 7(-2.8,1.3) 8(-2,1.3) 9(-1.2,1.3) 10(-0.4,1.3) 11(0.4,1.3) 12(1.2,1.3) 13(2,1.3) 14(2.8,1.3) 15(3.6,1.3) 16(4.4,1.3) 17(5.2,1.3) 18(6,1.3) 19(6.8,1.3) 20(7.6,1.3)
  rect 0.7x5 smd: 21(8.5,-0.3) 22(-8.5,-0.3)
Fuse_1206_3216Metric
  rrect 1.25x1.75 smd: 1(-1.4,0) 2(1.4,0)
Fuse_1210_3225Metric
  rrect 1.25x2.65 smd: 1(-1.4,0) 2(1.4,0)
Fuse_2010_5025Metric
  rrect 1.35x2.65 smd: 1(-2.25,0) 2(2.25,0)
Fuse_Littelfuse_395Series
  round 2 hole 1: 1(0,0) 2(5.08,-0.01)
GRAMchip
  rect 0.4x1.3 smd: 1(8.4,5.45) 2(7.6,5.45) 3(6.8,5.45) 4(6,5.45) 5(5.2,5.45) 6(4.4,5.45) 7(3.6,5.45) 8(2.8,5.45) 9(2,5.45) 10(1.2,5.45) 11(-1.25,5.45) 12(-2.05,5.45) 13(-2.85,5.45) 14(-3.65,5.45) 15(-4.45,5.45) 16(-5.25,5.45) 17(-6.05,5.45) 18(-6.85,5.45) 19(-7.65,5.45) 20(-8.45,5.45) 21(-8.45,-5.7) 22(-7.65,-5.7) 23(-6.85,-5.7) 24(-6.05,-5.7) 25(-5.2,-5.7) 26(-4.45,-5.7) 27(-3.65,-5.7) 28(-2.85,-5.7) 29(-2.05,-5.7) 30(-1.25,-5.7) 31(1.2,-5.75) 32(2,-5.75) 33(2.8,-5.75) 34(3.6,-5.75) 35(4.4,-5.75) 36(5.2,-5.75) 37(6,-5.75) 38(6.8,-5.75) 39(7.6,-5.75) 40(8.4,-5.75)
IRDA
  rect 1x1.6 smd: 1(0.65,-1.5) 2(-0.65,-1.5) 3(3.2,4.4) 4(-3.15,4.4)
  rect 1.1x1.1 hole 0.8: 5(4.5,1.55) 6(1.95,1.55) 7(-1.9,1.55) 8(-4.45,1.55)
  oval 2.2x3.3 hole 0.9x2: 9(8.55,1.55) 10(-8.5,1.55)
L_0603_1608Metric
  rrect 0.875x0.95 smd: 1(-0.787,0) 2(0.787,0)
L_0805_2012Metric
  rrect 0.875x1.2 smd: 1(-1.062,0) 2(1.062,0)
L_1210_3225Metric
  rrect 1.25x2.65 smd: 1(-1.4,0) 2(1.4,0)
L_Coilcraft_LPS5030
  custom 1.995x5.51 smd: 1(-2.228,0) 2(2.228,0)
L_Radial_D7.5mm_P5.00mm_Fastron_07P
  round 2.6 hole 1.3: 1(0,0) 2(5,0)
L_Radial_D10.0mm_P5.00mm_Fastron_07M
  round 2.6 hole 1.3: 1(0,0) 2(5,0)
LCD
  rect 1x1 hole 0.8: 1(-11.9,0) 2(-10.1,0) 3(-8.3,0) 4(-6.5,0) 5(-4.7,0) 6(-2.9,0) 7(-1.1,0) 8(0.7,0) 9(2.5,0) 10(4.3,0) 11(6.1,0) 12(7.9,0) 13(9.7,0) 14(11.5,0)
LCD_connector
  rect 0.6x1.5 smd: 1(-7.4,-1.25) 2(-6.9,1.55) 3(-6.4,-1.25) 4(-5.9,1.55) 5(-5.4,-1.25) 6(-4.9,1.55) 7(-4.4,-1.25) 8(-3.9,1.55) 9(-3.4,-1.25) 10(-2.9,1.55) 11(-2.4,-1.25) 12(-1.9,1.55) 13(-1.4,-1.25) 14(-0.9,1.55) 15(-0.4,-1.25) 16(0.15,1.55) 17(0.6,-1.25) 18(1.15,1.55) 19(1.65,-1.25) 20(2.15,1.55) 21(2.65,-1.25) 22(3.15,1.55) 23(3.65,-1.25) 24(4.15,1.55) 25(4.65,-1.25) 26(5.15,1.55) 27(5.65,-1.25) 28(6.15,1.55) 29(6.65,-1.25) 30(7.2,1.55)
  rect 0.8x1.7 smd: 31(8.15,-1.35) 32(8.15,1.5) 33(-8.4,1.5) 34(-8.4,-1.3)
LidSwitch
  rect 1.6x0.8 smd: 1(2.575,0)
  rect 2x0.8 smd: 2(-2.8,1.525) 3(-2.8,-1.475)
Modem-Connector
  rect 0.65x2.286 smd: 1(-7.55,2.15) 2(-6.3,2.15) 3(-5.05,2.15) 4(-3.8,2.15) 5(-2.55,2.15) 6(-1.3,2.15) 7(-0.05,2.15) 8(1.2,2.15) 9(2.5,2.15) 10(3.75,2.15) 11(5,2.15) 12(6.25,2.15) 13(7.5,2.15) 14(-7.6,-2.2) 15(-6.35,-2.2) 16(-5.1,-2.2) 17(-3.8,-2.2) 18(-2.55,-2.15) 19(-1.3,-2.2) 20(-0.05,-2.2) 21(1.2,-2.2) 22(2.45,-2.2) 23(3.7,-2.2) 24(4.95,-2.15) 25(6.2,-2.2) 26(7.45,-2.2)
MountingHole_4.3mm_M4_Pad_Via
  round 0.9 hole 0.6: 1(-3.225,0) 1(-2.28,2.28) 1(-2.28,-2.28) 1(0,3.225) 1(0,-3.225) 1(2.28,2.28) 1(2.28,-2.28) 1(3.225,0)
  round 8.6 hole 4.3: 1(0,0)
PCMCIA
  rect 0.35x1.9 smd: 1(-21.95,2) 2(-21.3,2) 3(-20.65,2) 4(-20,2) 5(-19.4,2) 6(-18.75,2) 7(-18.1,2) 8(-17.5,2) 9(-16.85,2) 10(-16.25,2) 11(-15.6,2) 12(-14.95,2) 13(-14.3,2) 14(-13.7,2) 15(-13.05,2) 16(-12.4,2) 17(-11.8,2) 18(-11.15,2) 19(-10.5,2) 20(-9.85,2) 21(-9.2,2) 22(-8.6,2) 23(-7.95,2) 24(-7.3,2) 25(-6.65,2) 26(-6.05,2) 27(-5.4,2) 28(-4.75,2) 29(-4.1,2) 30(-3.5,2) 31(-2.85,2) 32(-2.25,2) 33(-1.6,2) 34(-0.95,2) 35(-0.3,2) 36(0.35,2) 37(0.95,2) 38(1.6,2) 39(2.25,2) 40(2.85,2) 41(3.5,2) 42(4.15,2) 43(4.8,2) 44(5.4,2) 45(6.05,2) 46(6.65,2) 47(7.3,2) 48(7.95,2) 49(8.55,2) 50(9.2,2) 51(9.85,2) 52(10.5,2) 53(11.1,2) 54(11.75,2) 55(12.4,2) 56(13,2) 57(13.65,2) 58(14.3,2) 59(14.9,2) 60(15.55,2) 61(16.15,2) 62(16.8,2) 63(17.45,2) 64(18.1,2) 65(18.7,2) 66(19.35,2) 67(20,2) 68(20.6,2) 69(21.25,2) 70(21.85,2) 71(-21.95,-2.25) 72(-21.3,-2.25) 73(-20.65,-2.25) 74(-20.05,-2.25) 75(-19.4,-2.25) 76(-18.75,-2.25) 77(-18.15,-2.25) 78(-17.5,-2.25) 79(-16.85,-2.25) 80(-16.25,-2.25) 81(-15.6,-2.25) 82(-14.95,-2.25) 83(-14.35,-2.25) 84(-13.7,-2.25) 85(-13.05,-2.25) 86(-12.4,-2.25) 87(-11.75,-2.25) 88(-11.15,-2.25) 89(-10.5,-2.25) 90(-9.85,-2.25) 91(-9.2,-2.25) 92(-8.6,-2.25) 93(-7.95,-2.25) 94(-7.3,-2.25) 95(-6.65,-2.25) 96(-6.05,-2.25) 97(-5.4,-2.25) 98(-4.75,-2.25) 99(-4.15,-2.25) 100(-3.5,-2.25) 101(-2.85,-2.25) 102(-2.2,-2.25) 103(-1.6,-2.25) 104(-0.95,-2.25) 105(-0.3,-2.25) 106(0.35,-2.25) 107(0.95,-2.25) 108(1.6,-2.25) 109(2.2,-2.25) 110(2.85,-2.25) 111(3.5,-2.25) 112(4.15,-2.25) 113(4.75,-2.25) 114(5.4,-2.25) 115(6.05,-2.25) 116(6.7,-2.25) 117(7.3,-2.25) 118(7.95,-2.25) 119(8.55,-2.25) 120(9.2,-2.25) 121(9.85,-2.25) 122(10.45,-2.25) 123(11.1,-2.25) 124(11.75,-2.25) 125(12.4,-2.25) 126(13,-2.25) 127(13.65,-2.25) 128(14.3,-2.25) 129(14.9,-2.25) 130(15.55,-2.25) 131(16.15,-2.25) 132(16.8,-2.25) 133(17.45,-2.25) 134(18.05,-2.25) 135(18.7,-2.25) 136(19.35,-2.25) 137(19.95,-2.25) 138(20.6,-2.25) 139(21.25,-2.25) 140(21.85,-2.25)
